# KiCad board Turbo_XT_Mainboard R3.kicad_pcb (continued)
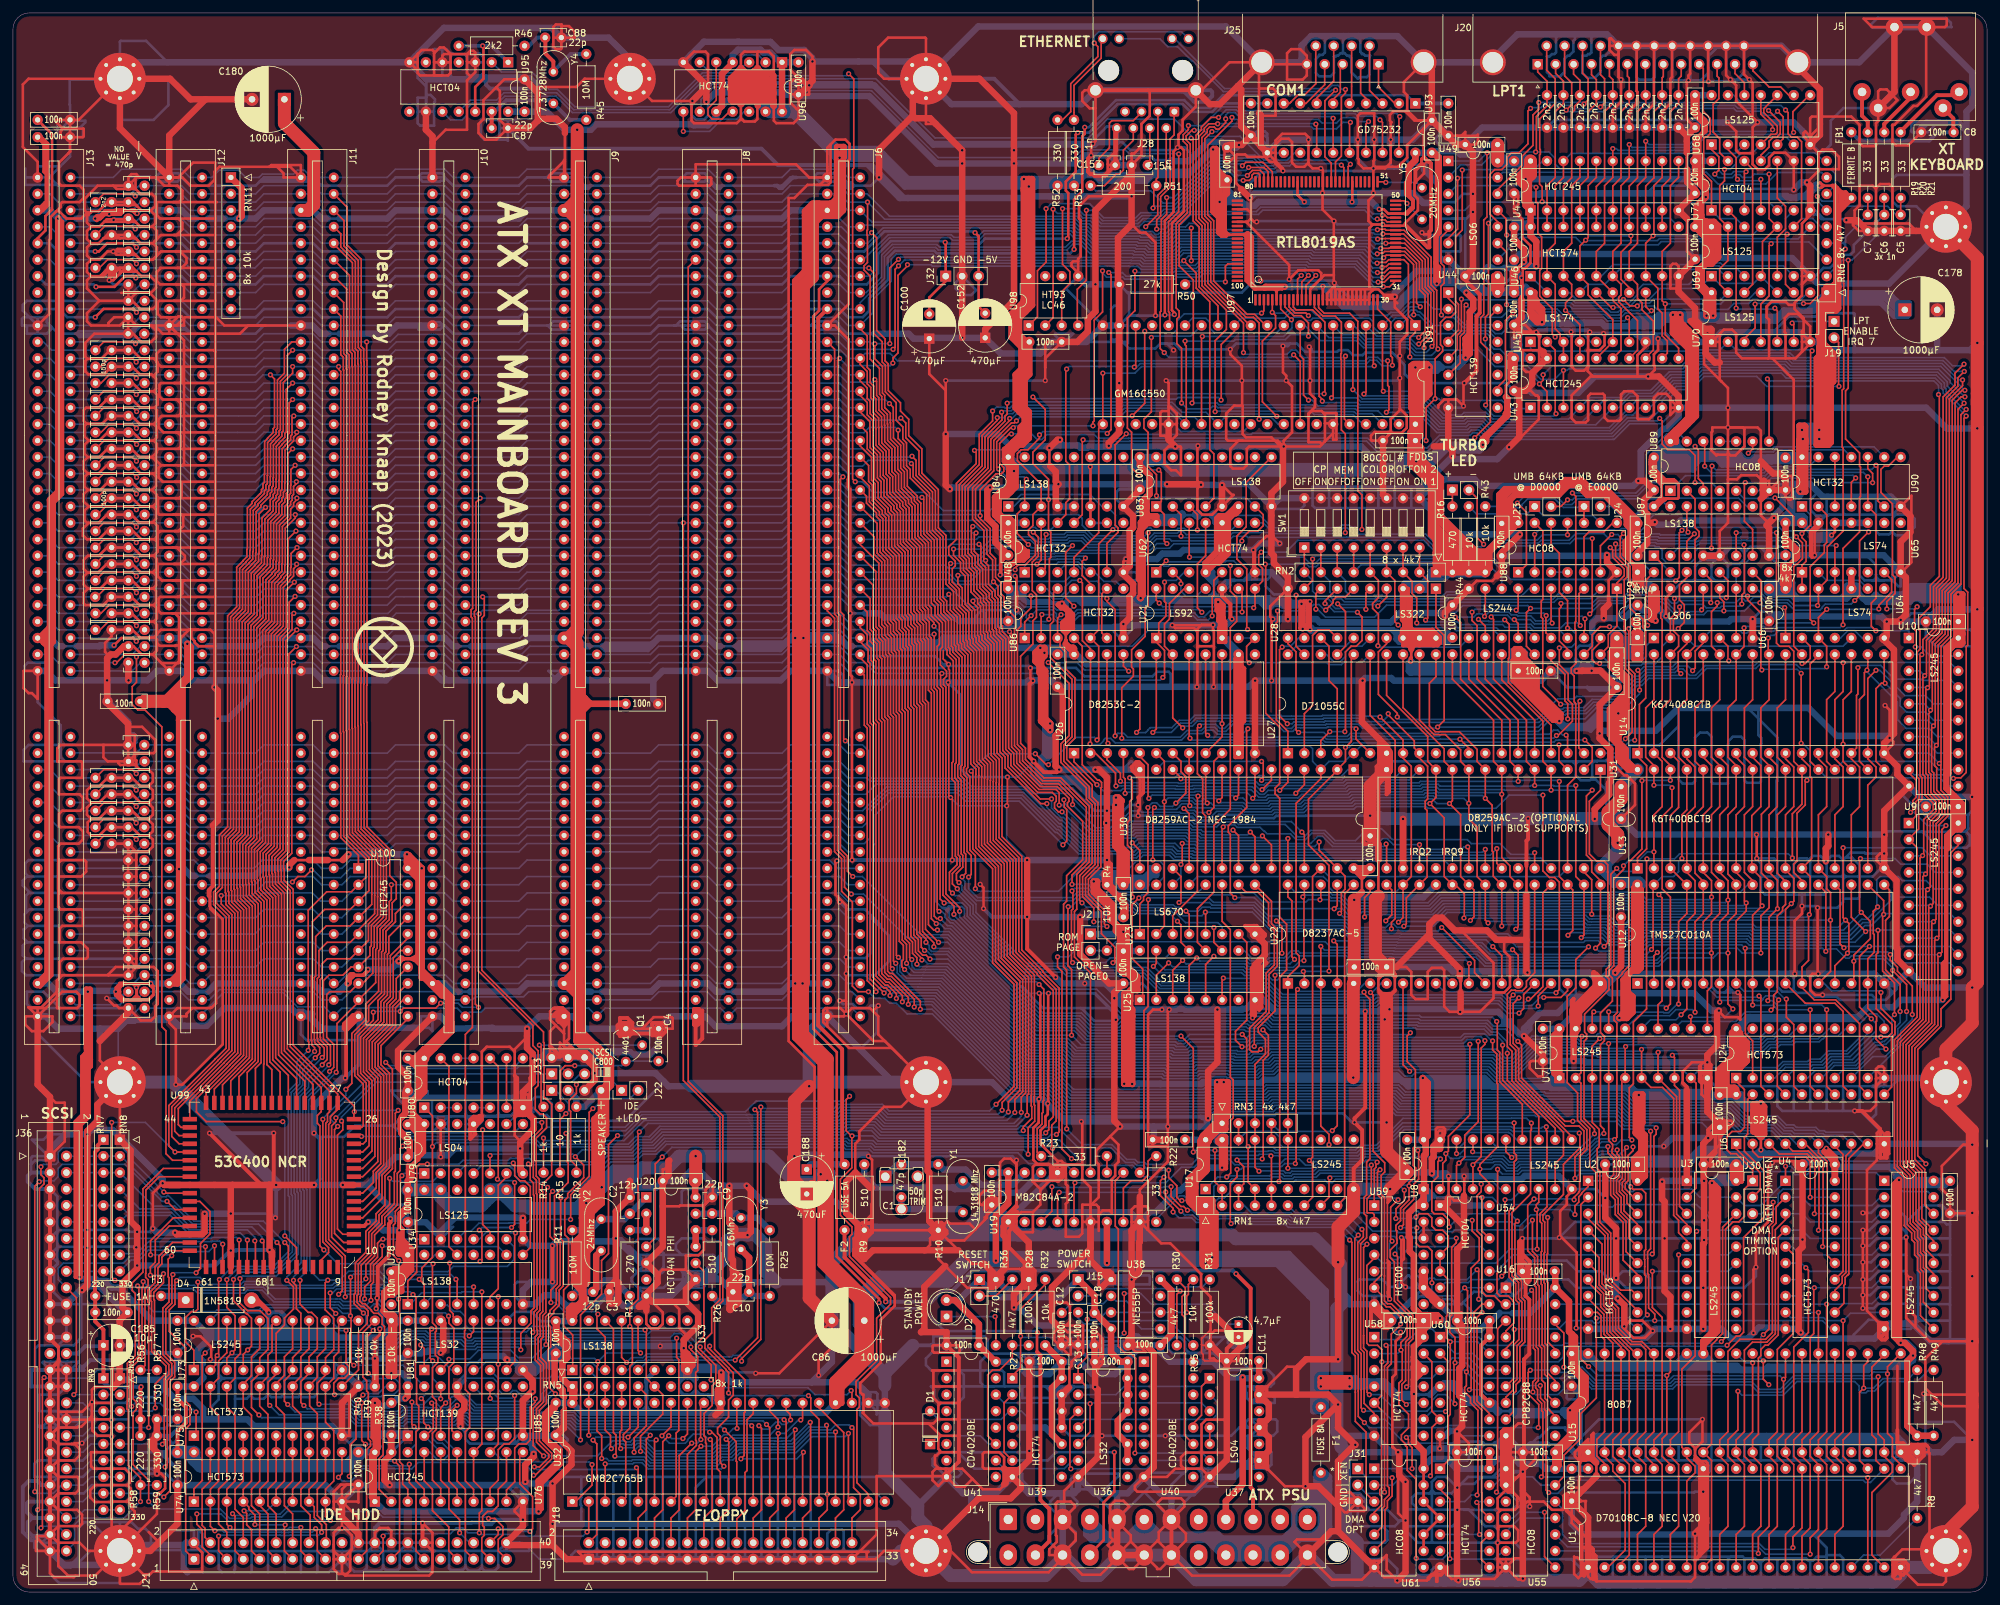
[diagram p0: board, top side]
## Routing (per net, layer and track width the routed paths; a pad name or vN(x,y) marks a point on that pad's centre or on a via; arc(x,y) is an arc through that point) (continued)
19.05,97.79 ; 14.73,95.25 14.73,95.38 15.88,96.52 19.56,96.52 ; 14.73,95.25 7.62,95.25 7.24,94.87 ; 233.12,13.25 233.84,13.97 236.35,13.97 237.62,12.7 239.31,12.7 239.42,12.8 ; 213.37,95.26 213.43,95.19 ; U70.7 277.5,192.79 276.22,191.52 ; U70.7 276.48,194.06 276.48,194.94 ; U70.7 276.22,193.04 ; 151,46.86 150.9,46.97 147.34,46.97 142.88,51.44 R10.2 ; 151,46.86 151.38,46.86 151.51,46.99 ; 151,46.86 151.76,47.62 R36.2 ; v1(161.8,41.15) 162.81,40.13 164.46,40.13 C13.2 ; v1(161.8,41.15) 160.78,40.13 160.78,38.86 162.94,36.7 163.32,36.7 163.32,39.12 162.31,38.1 C12.2 164.38,38.1 C13.2 ; v1(161.8,41.15) 162.56,41.15 163.19,41.78 163.19,44.2 162.69,44.7 160.91,44.7 160.42,44.22 ; U68.7 277.5,224.79 ; U68.7 277.5,227.58 277.75,227.84 283.84,227.84 285.12,226.57 285.12,223.77 285.62,223.27 287.53,223.27 287.65,223.39 287.65,226.82 287.99,227.16 J5.4 ; U68.7 277.5,223.77 276.48,224.79 276.48,225.3 276.73,225.55 277.5,224.79 ; 277.5,224.79 279,226.29 279,226.67 ; C129.2 15.49,217.17 ; C129.2 18.41,217.17 18.92,216.66 ; 7,27.83 8.4,27.83 ; 7,27.83 7,26.65 ; 126.24,223.52 127.01,224.29 128.52,224.29 129.17,223.64 129.17,221.24 129.04,221.12 129.04,198.89 J6.10 126.87,195.58 129.03,193.42 129.03,172.21 ; 126.24,223.52 125.73,223.01 125.73,220.09 ; 124.21,217.3 124.59,217.3 J6.1 ; 124.21,217.3 122.68,217.3 120.65,215.26 119.76,215.26 119.76,85.09 123.76,81.1 123.76,62.67 122.68,61.6 122.56,61.6 ; v1(172.72,215.52) 166.12,215.52 164.59,214 164.59,212.09 164.85,211.84 164.85,206.25 164.46,205.87 164.46,205.49 ; 143.26,19.05 144.02,19.05 ; 179.7,180.47 179.58,180.34 178.44,180.34 ; 179.7,180.47 179.7,178.69 178.94,177.93 178.44,177.93 177.8,178.56 177.16,178.56 177.16,180.34 ; 31.24,209.55 31.24,207.01 ; 31.24,209.55 24.89,209.55 ; 31.24,207.01 31.24,204.47 ; v1(217.55,209.93) 217.81,209.68 218.69,209.68 ; 18.92,216.66 16,216.66 15.49,217.17 ; v1(114.68,33.78) 118.32,33.78 C86.2 126.44,37.8 124.4,35.75 v1(124.4,33.46) ; v1(191.52,160.91) 191.52,157.73 U62.7 191.77,161.29 193.55,163.07 194.31,163.07 ; v1(30.48,35.94) 30.61,36.07 30.61,37.85 28.96,39.5 v1(27.81,39.5) ; 151.51,46.99 151.76,47.24 R36.2 ; 21.72,180.34 19.62,180.34 18.35,181.61 C145.2 C108.1 14.99,181.61 13.79,180.41 11.37,180.41 ; 21.72,180.34 22.22,180.85 22.22,182.5 21.84,182.88 ; 19.56,96.52 21.72,96.52 22.35,95.88 22.35,90.81 21.97,90.42 21.97,88.9 21.34,88.27 19.72,88.27 C176.2 16.38,90.17 16,90.55 15.62,90.55 v1(14.48,91.69) ; 21.72,185.42 22.1,185.8 22.1,187.32 21.65,187.77 ; 21.72,185.42 22.35,184.78 22.35,183.39 21.84,182.88 ; 25.15,168.91 31.11,168.91 31.24,168.78 ; 25.15,168.91 22.48,168.91 22.41,168.98 ; 25.15,168.91 25.65,168.91 26.03,169.29 26.03,171.2 25.78,171.45 25.02,171.45 ; 19.05,113.03 19.05,114.3 C155.1 ; 19.05,113.03 C167.1 ; 263.52,193.04 263.52,194.31 263.65,194.44 ; 263.52,193.04 U70.1 ; 200.02,220.73 200.02,220.47 200.66,219.84 v1(201.93,219.84) 202.25,219.52 202.25,216.09 v1(202.18,216.03) 202.2,216.05 202.2,213.47 v1(203.96,211.71) 203.94,211.68 203.94,203.35 ; 200.02,220.73 v1(200.02,224.28) 200.02,224.66 199.52,225.17 195.96,225.17 194.94,224.16 194.94,222.25 ; v1(179.8,223.06) 179.8,223.05 179.19,222.44 179.19,213.11 177.85,211.77 v1(177.85,197.21) ; v1(179.8,223.06) 179.96,223.22 179.96,225.04 180.59,225.68 180.59,227.33 182.63,229.37 182.63,231.91 183.52,231.91 187.83,236.22 J25.SH ; v1(179.8,223.06) 180.37,223.06 180.79,222.64 180.79,213.22 178.94,211.37 178.94,197.94 179.32,197.56 v1(179.32,197.27) ; 7,6.37 7,26.65 ; 19.07,127.53 19.05,127.54 19.05,128.4 ; 19.07,127.53 19.59,127 20.95,127 21.59,126.37 21.59,125.09 20.95,124.46 ; C172.2 C171.2 ; 15.24,14.1 15.04,13.9 12.64,13.9 11.94,14.61 11.94,15.75 12.7,16.51 15.24,16.51 ; 15.24,14.1 15.24,16.51 ; 21.14,200.59 21.28,200.59 22.1,201.41 22.1,202.31 21.21,203.2 19.81,203.2 19.11,203.9 ; 17.65,16.51 18.16,16 18.16,14.61 17.53,13.97 ; 17.65,16.51 15.24,16.51 ; 17.65,16.51 18.03,16.89 18.03,18.29 17.27,19.05 14.48,19.05 ; 271.65,190.5 274.94,187.21 274.94,172.58 274.7,172.34 ; 271.65,190.5 271.02,190.5 ; v1(171.83,159.51) 171.45,159.13 U48.7 ; 255.9,182.75 255.9,183.9 ; 12.06,119.38 11.54,118.85 11.54,117.37 12.06,116.84 13.33,116.84 14.6,118.11 C166.1 C156.1 18.32,118.11 19.59,116.84 20.95,116.84 ; 12.06,119.38 11.43,120.02 11.43,121.12 12.23,121.92 ; 12.06,119.38 13.25,119.38 14.52,120.65 C164.1 C157.1 18.41,120.65 19.68,119.38 20.79,119.38 ; J14.15 162.07,5.99 164.08,8 164.08,9.02 162.07,11.03 J14.3 163.96,13.1 163.96,13.33 163.32,13.97 162.31,13.97 ; 15.24,24.26 v1(15.24,24) 15.11,24.13 13.08,24.13 12.25,24.96 12.25,26.6 ; 15.24,24.26 15.24,21.59 ; 21.46,210.82 19.68,210.82 18.99,211.52 ; v1(50.8,9.91) 51.18,9.91 52.32,8.76 52.32,6.6 ; v1(50.8,9.91) 50.29,9.91 49.53,9.14 49.53,7.37 ; 148.15,17.46 146.56,19.05 144.02,19.05 ; 97.15,87 Q1.1 ; 97.15,87 C4.2 101.85,87 101.85,88.65 101.73,88.77 98.93,88.77 97.15,87 ; J20.18 246.51,238.76 ; J20.18 J20.25 ; 74.61,232.35 75.87,233.6 C37.2 ; 74.61,232.35 75.18,231.78 75.18,227.29 C87.1 74.64,224.28 72.9,224.28 71.88,225.3 71.88,226.69 72.64,227.46 72.64,230.38 74.61,232.35 ; 25.4,204.47 31.24,204.47 ; 25.4,204.47 22.73,204.47 22.73,204.34 22.22,203.84 22.22,202.44 22.73,201.93 25.27,201.93 ; v1(302.51,58.55) 302.47,58.5 C35.2 299.08,60.96 297.81,62.23 297.81,65.79 301.12,69.09 v1(302.51,69.09) ; v1(89.82,80.11) 89.82,82.14 88.52,83.44 86.99,83.44 86.3,84.14 ; 25.53,173.99 22.86,173.99 ; 136.14,45.47 136.14,45.85 129.79,52.2 129.79,52.96 ; 136.14,45.47 136.14,45.59 129.79,51.94 129.79,52.96 ; 136.14,45.47 136.14,44.2 133.99,42.04 133.99,35.43 130.81,32.26 130.81,30.86 131.19,30.48 131.32,30.48 131.32,27.81 131.19,27.69 132.84,26.04 140.33,26.04 ; 129.03,172.21 129.03,171.96 128.9,171.83 128.9,170.69 129.29,170.31 129.29,141.6 129.54,141.35 v1(129.54,140.46) 129.54,113.06 v1(129.57,113.03) ; 129.03,172.21 129.03,170.43 ; 11.68,165.1 11.43,165.1 11.05,165.48 11.05,167 11.68,167.64 ; 11.68,165.1 13.25,165.1 14.52,166.37 C114.1 C139.2 18.29,166.37 19.49,165.17 21.53,165.17 ; U95.3 71.37,237.49 ; 172.15,39.43 172.15,38.12 C16.2 ; 172.15,39.43 171.96,39.24 171.96,38.86 172.16,38.66 C16.2 ; 172.15,39.43 172.72,40 ; 243.14,191.71 243.2,191.78 243.2,194.31 v1(243.46,194.56) ; 243.14,191.71 243.19,191.77 244.98,191.77 245.75,192.53 245.75,194.18 v1(245.59,194.34) ; 66.04,72.26 v1(66.04,67.18) ; 24.89,186.69 31.24,186.69 ; 24.89,186.69 22.86,186.69 22.61,186.44 22.61,184.66 23.11,184.15 25.27,184.15 ; 21.34,195.58 22.1,194.82 22.1,193.8 21.34,193.04 19.77,193.04 19.08,193.73 19.08,193.77 18.54,194.31 C105.1 ; 21.34,195.58 22.1,195.58 ; 21.34,195.58 19.68,195.58 ; 264.79,175.64 264.79,175.9 ; 127.38,107.31 127.38,106.81 v1(127.63,106.55) ; 127.38,107.31 128.65,106.05 v1(128.65,98.04) v1(128.65,95.5) 128.65,91.19 ; 127.38,107.31 127,107.7 127,112.78 127.08,112.78 v1(127.22,112.91) ; C68.2 212.72,41.91 U59.7 ; 52.07,5.08 J21.19 ; 52.07,5.08 52.07,6.35 52.32,6.6 ; J21.19 49.53,6.35 49.53,7.37 ; J21.19 52.32,6.6 ; 158.62,62.1 158.62,62.23 157.48,63.37 ; 158.62,62.1 158.62,59.82 157.48,58.67 ; v1(78.74,11.18) 77.47,12.45 77.47,12.7 U76.10 ; 244.47,2.41 243.2,3.68 ; 152.4,62.87 152.4,66.29 153.03,66.93 154.05,66.93 154.94,66.04 154.94,65.41 ; 21.46,175.26 22.1,174.62 ; 21.46,175.26 20.45,175.26 ; 22.1,174.62 22.1,176.16 22.47,176.53 25.53,176.53 ; 22.1,174.62 22.1,172.97 21.84,172.72 21.59,172.72 ; 293.75,40.89 292.31,42.33 v1(292.31,54.77) 292.31,49.06 v1(292.99,48.39) ; U46.10 257.05,203.07 ; 17.78,195.58 19.68,195.58 ; 17.78,195.58 C105.1 ; 17.78,195.58 C150.1 ; 19.68,195.58 19.05,195.58 C150.1 ; v1(289.05,136.91) 289.75,136.21 v1(289.75,131.89) 290.32,131.32 290.32,130.94 U14.16 ; 12.23,121.92 12.06,121.92 11.43,122.56 11.43,123.82 12.06,124.46 13.33,124.46 14.6,125.73 C162.1 C159.1 18.41,125.73 19.68,124.46 20.95,124.46 ; 144.46,54.29 R10.2 ; 22.41,168.98 22.41,166.57 22.61,166.37 24.76,166.37 ; 22.41,168.98 22.22,169.16 ; v1(295.02,30.61) 295.15,30.48 302.51,30.48 ; 162.31,13.97 162.31,15.62 U36.7 ; C131.2 18.6,146.05 19.87,144.78 21.59,144.78 ; 11.56,172.72 13.21,172.72 14.48,173.99 C111.1 C142.2 18.41,173.99 19.68,172.72 21.59,172.72 ; 11.56,172.72 11.05,172.21 11.05,170.69 11.56,170.18 ; U59.13 U59.12 ; 276.22,191.52 276.22,193.04 ; 276.22,193.04 276.22,194.69 276.48,194.94 ; 19.05,105.54 19.05,107.95 ; 19.05,105.54 18.92,105.41 C170.2 ; 21.59,208.28 22.22,207.64 22.22,206.38 21.59,205.74 ; 21.59,208.28 19.68,208.28 19.18,208.79 ; C82.2 224.41,21.59 224.79,21.97 224.79,22.99 v1(222.96,24.81) ; 146.05,34.16 145.99,34.22 141.93,34.22 142.11,34.04 142.11,31.88 ; 187.4,26.62 184.23,26.62 183.51,25.91 183.51,21.62 183.59,21.54 ; 11.56,170.18 10.92,169.55 10.92,168.4 11.68,167.64 ; 15.24,16.51 15.24,19.18 ; 176.72,7.94 176.91,8.13 176.91,9.26 J14.7 ; 176.72,7.94 178.87,5.79 J14.19 ; v1(275.11,95.48) 275.08,95.5 275.08,103.63 276.22,104.78 v1(276.22,105.92) ; U89.7 272.41,170.05 ; U89.7 272.54,171.45 272.54,170.18 272.41,170.05 ; U89.7 271.14,171.58 270.13,171.58 ; 272.41,170.05 273.56,170.05 C48.2 273.69,169.16 274.19,168.66 274.45,168.66 274.7,168.91 274.7,172.34 ; 185.42,146.05 183.01,146.05 182.88,145.92 ; 185.42,146.05 185.42,139.83 v1(185.37,139.78) ; 185.42,146.05 185.42,148.46 185.29,148.59 v1(185.29,149.35) ; 287.65,80.39 287.91,80.39 U24.10 ; 287.65,80.39 287.65,80.77 288.04,81.15 288.67,81.15 288.93,80.9 U24.10 ; 153.07,160.69 152.93,160.55 152.93,159.36 ; J14.19 182.04,2.54 197.1,2.54 199.87,5.31 J14.24 ; J14.19 181.1,7.95 181.1,9.02 178.9,11.21 J14.7 ; 169.54,49.15 169.54,49.53 169.35,49.72 167.83,49.72 167.64,49.53 167.64,47.37 168.02,46.99 168.15,47.12 ; 182.88,148.46 182.88,145.92 ; 182.88,148.46 182.75,148.46 182.37,148.84 179.45,148.84 v1(179,149.29) 185.23,149.29 v1(185.29,149.35) ; 182.88,148.46 182.88,148.72 183.51,149.35 v1(185.29,149.35) ; 182.88,145.92 182.88,139.86 v1(182.8,139.78) ; 31.24,168.78 31.24,166.5 ; C79.2 216.49,227.25 ; 125.73,220.09 J6.1 ; 125.73,220.09 J6.1 ; U6.10 287.78,69.22 ; 287.78,69.22 287.78,66.68 286.26,65.15 286.26,58.42 ; R10.2 R9.1 131.44,57.15 132.65,58.35 132.65,66.74 v1(132.08,67.31) ; R10.2 141.6,54.61 141.6,53.59 140.78,52.77 ; v1(194.33,140.74) 194.33,150.05 v1(194.52,150.24) 194.12,150.64 194.12,152.21 U28.10 ; v1(285.62,43.81) v1(285.62,45.85) v1(285.62,48.26) v1(285.62,50.93) v1(285.62,53.47) v1(285.62,55.88) 286.26,55.88 ; 7.24,94.87 7.24,97.28 7.75,97.79 11.3,97.79 11.56,98.04 11.56,99.31 10.54,100.33 7.24,100.33 7.24,102.49 7.62,102.87 10.79,102.87 10.79,105.16 10.54,105.41 7.37,105.41 6.98,105.79 6.98,115.19 7.37,115.57 10.16,115.57 10.79,116.21 10.79,117.47 10.16,118.11 7.37,118.11 7.11,118.36 7.11,120.14 7.62,120.65 10.41,120.65 10.79,121.03 10.79,122.68 10.29,123.19 7.11,123.19 7.11,125.48 7.37,125.73 10.67,125.73 10.67,128.14 10.54,128.27 6.86,128.27 6.86,130.3 7.37,130.81 13.97,130.81 ; 7.24,94.87 6.79,94.42 ; 19.05,107.95 C169.2 ; 59.76,73.09 60.01,73.34 ; 14.73,195.58 14.73,195.96 15.62,196.85 C150.1 ; 14.73,195.58 16.51,195.58 C150.1 ; 77.47,73.15 77.47,70.49 78.32,69.64 78.32,69.43 ; 77.47,73.15 77.47,73.28 77.72,73.53 ; v1(178.54,89.94) 178.31,89.71 v1(178.31,71.88) 178.31,68.83 ; U70.1 263.65,194.44 ; 263.65,194.44 264.16,194.94 265.43,194.94 266.06,194.31 266.06,191.39 266.95,190.5 271.02,190.5 ; U95.5 66.29,237.24 66.55,237.49 71.37,237.49 ; U95.5 67.56,236.22 ; 40.77,220.09 41.78,219.07 41.78,218.44 J11.1 ; 40.77,220.09 42.8,220.09 J11.1 ; 144.02,19.05 144.02,17.91 ; 31.24,204.47 31.24,201.68 ; v1(56.08,43.76) 56.22,43.9 v1(56.22,45.38) ; 25.53,176.53 25.91,176.91 25.91,178.56 25.53,178.94 25.53,179.07 25.27,179.07 ; 25.53,176.53 30.99,176.53 31.24,176.28 ; 231.77,213.61 C57.2 232.08,215.98 232.41,215.65 232.41,214.25 231.77,213.61 ; 231.77,213.61 231.77,213.23 233.04,211.96 233.04,209.17 234.3,207.91 234.3,205.22 233.67,204.59 ; 31.24,189.23 31.24,186.69 ; 31.24,189.23 31.24,191.52 ; 175.2,55.94 175.26,56.01 175.26,57.4 ; 211.96,200.03 210.82,201.17 210.09,201.17 ; 146.05,31.75 142.24,31.75 142.11,31.88 ; 14.48,19.05 12.45,19.05 12.06,19.43 12.06,21.59 15.24,21.59 ; 14.48,19.05 15.11,19.05 15.24,19.18 ; 160.15,173.86 160.02,173.99 v1(160.02,176.66) ; 31.24,146.05 31.24,151.13 ; 258.44,222.25 258.44,219.71 258.51,219.64 ; 214.12,182.75 v1(214.12,187.45) v1(214.12,190.88) 214.12,193.05 215.26,194.2 215.26,196.47 213.36,198.37 v1(213.36,200.03) 213.36,199.39 213.74,199.01 ; 31.24,163.7 31.24,161.29 ; 31.24,163.7 31.24,166.5 ; 31.24,161.29 24.64,161.29 ; 31.24,161.29 31.24,158.62 ; 220.34,69.85 220.98,70.49 220.98,70.74 221.11,70.87 221.11,71.5 220.85,71.75 219.96,71.75 219.71,71.5 219.71,69.22 ; 220.34,69.85 219.96,70.23 219.96,70.99 220.22,71.25 220.73,71.25 220.73,70.49 220.34,70.1 220.34,69.85 ; 15.49,217.17 13.08,217.17 11.05,215.14 11.05,213.36 11.68,212.73 ; C9.1 106.93,59.94 ; C9.1 108.08,61.09 108.08,62.87 107.7,62.87 106.93,62.1 106.93,59.94 ; 232.92,200.03 233.04,200.15 233.04,201.55 ; U29.10 225.99,156.14 228.4,156.14 229.11,156.84 ; 21.59,205.74 19.68,205.74 18.99,206.44 ; 25.27,201.93 30.99,201.93 31.24,201.68 ; U55.7 232.41,1.91 232.95,1.91 v1(233.12,2.08) ; U55.7 229.24,3.81 ; C167.1 C155.1 ; C167.1 17.78,113.66 18.41,114.3 20.79,114.3 21.59,115.1 21.59,116.21 20.95,116.84 ; C155.1 C165.1 ; 20.45,175.26 21.59,175.26 22.86,173.99 ; 239.42,14.07 239.42,12.8 ; J25.SH 192.39,235.8 192.39,232.17 ; 24.64,161.29 22.35,161.29 ; U54.7 U59.9 ; 15.24,21.59 15.24,19.18 ; 8.25,25.4 6.98,25.4 J36.35 ; C13.2 163.75,38.18 162.56,39.37 161.8,39.37 ; v1(159.89,92.46) 159.84,92.41 159.84,75.77 ; 85.41,85.03 85.09,84.71 ; 85.41,85.03 86.3,84.14 ; 85.09,84.71 85.09,86.23 ; 85.09,84.71 85.09,83.95 ; 157.48,63.37 157.61,63.5 160.53,63.5 ; 206.88,201.17 206.79,201.08 U97.24 ; U19.15 161.42,64.64 162.56,64.64 ; U19.15 161.29,66.57 ; v1(255.21,150.69) 255.21,153.49 255.9,154.18 255.9,154.94 ; 220.09,182.88 220.09,183.26 220.98,184.15 221.74,184.15 ; 21.72,152.4 22.1,152.78 22.1,154.56 21.72,154.94 21.46,154.94 ; 202.37,182.05 202.06,182.37 200.53,182.37 200.02,181.86 200.02,181.61 ; v1(128.65,89.28) 128.65,91.19 ; 128.65,91.19 128.52,91.31 v1(127.63,91.31) ; 169.42,70.36 v1(170.94,71.88) ; 169.42,70.36 170.69,69.09 170.69,66.42 170.18,65.91 170.18,64.26 169.67,63.76 169.67,58.55 169.29,58.93 168.27,58.93 167.64,58.29 167.64,58.04 ; 24.64,156.21 31.24,156.21 ; 161.29,66.57 161.91,66.57 162.56,65.91 162.56,64.64 ; 11.5,157.41 10.92,157.99 10.92,159.38 11.56,160.02 13.25,160.02 14.52,161.29 C116.1 C137.2 18.54,161.29 19.81,160.02 21.72,160.02 ; v1(152.43,157.07) 152.43,158.86 152.93,159.36 ; C169.2 C170.2 ; J12.80 24.13,87.88 25.15,86.87 v1(25.15,78.36) 26.16,78.36 32.38,84.58 32.38,103.89 30.37,105.9 30.37,107.39 30.23,107.53 ; 159.38,189.1 159.38,190.5 C97.2 159.64,193.04 159.38,192.79 159.38,189.1 ; 159.38,189.1 v1(159.38,187.07) ; 212.64,61.39 v1(212.64,62.23) ; 82.93,88.65 82.93,89.66 83.44,90.17 84.84,90.17 85.09,89.92 ; 82.93,88.65 83.18,88.9 J9.80 ; 24.64,151.13 31.24,151.13 ; 21.84,182.88 19.68,182.88 18.41,184.15 C146.2 C107.1 14.35,184.15 14.35,183.98 13.25,182.88 11.3,182.88 10.92,182.5 10.92,180.86 11.37,180.41 ; v1(224.09,186.69) 223.96,186.56 v1(223.96,183.13) 222.95,184.15 221.74,184.15 ; 286.26,55.88 286.26,58.42 ; 286.26,55.88 286.26,43.43 288.93,40.77 U5.10 ; 286.26,58.42 286.13,58.55 v1(285.62,58.55) ; 12.39,26.6 12.25,26.6 ; 31.24,153.8 31.24,156.21 ; 31.24,153.8 31.24,151.13 ; 25.02,171.45 23.11,171.45 22.48,172.09 22.48,173.61 22.86,173.99 ; 11.37,180.41 11.05,180.09 11.05,178.44 11.68,177.8 ; 20.79,119.38 21.59,118.58 21.59,117.47 20.95,116.84 ; 144.02,17.91 133.35,17.91 133.35,8.89 J18.33 ; U1.1 243.08,3.81 241.55,5.33 241.17,5.33 241.05,5.46 241.05,2.79 241.68,2.16 243.2,3.68 ; U1.1 243.2,3.68 ; 85.09,89.92 J9.80 ; C170.2 C171.2 ; 11.68,212.73 11.43,212.47 11.43,211.45 12.06,210.82 ; 11.68,212.73 12,213.04 ; 192.39,232.17 192.39,228.36 192.65,228.1 ; 192.39,232.17 194.55,232.17 194.94,231.78 194.94,227.97 192.91,227.97 192.65,227.7 ; 22.35,161.29 22.35,160.66 21.72,160.02 ; U97.23 U97.22 ; U97.23 U97.24 ; U97.22 U97.21 ; 200.02,181.61 200.02,181.99 201.04,183.01 201.04,184.28 200.28,185.04 v1(200.28,187.07) 200.28,192.15 v1(200.15,192.28) ; 152.93,159.36 C92.2 ; 214.38,51.05 v1(214.38,54.74) 214.76,54.36 214.76,51.44 214.38,51.05 ; 214.38,51.05 214.38,47.75 v1(215.01,47.12) ; C16.2 172.34,38.1 173.35,37.08 174.88,37.08 174.12,37.85 174.12,38.1 ; 145.67,36.58 146.18,37.08 146.18,37.85 145.92,38.1 C78.2 142.11,38.1 141.99,37.97 141.99,37.21 142.24,36.96 145.29,36.96 ; C69.2 250.44,121.54 250.44,124.84 249.17,126.11 248.79,126.11 246.89,128.02 246.63,128.02 ; 223.58,102.17 228.6,97.16 228.6,92.84 ; C18.2 168.15,38.1 168.27,37.97 ; 107.06,230.89 107.31,231.14 107.31,237.49 106.93,237.87 105.16,237.87 U96.7 ; 213.61,96.52 215.14,96.52 215.9,95.76 215.9,92.2 216.53,91.57 218.44,91.57 218.44,95.76 219.07,96.39 220.6,96.39 220.98,96.01 220.98,90.42 221.81,89.59 v1(223.45,89.59) 226.5,89.59 228.6,91.69 228.6,92.84 ; 183.59,21.54 181.06,21.54 180.34,20.83 180.34,19.56 180.85,19.05 ; 183.59,21.54 183.51,21.46 183.51,19.05 ; 183.59,21.54 187.4,21.54 ; 83.44,240.03 83.44,241.68 83.82,242.06 84.71,242.06 84.71,241.81 ; 228.6,92.84 228.85,92.58 230.25,92.58 231.14,93.47 231.14,98.04 230.25,98.93 230.25,100.33 230.63,100.71 ; 162.56,64.64 162.56,63.25 ; J14.7 178.87,11.38 176.78,13.46 176.78,13.84 177.42,14.48 180.34,14.48 180.85,13.97 180.85,13.19 J14.7 ; 233.67,204.59 233.67,204.59 ; 233.67,204.59 233.49,204.4 233.19,204.4 233.11,204.32 233.11,203.15 v1(232.91,202.95) ; 21.59,144.78 22.92,143.45 ; 203.94,203.35 202.46,203.35 201.99,202.88 ; 16.51,209.04 18.92,209.04 19.18,208.79 ; v1(214.25,40.13) 214.25,39.5 213.49,38.74 213.49,33.66 212.98,33.15 212.98,22.35 213.11,22.35 v1(213.87,21.59) 213.87,12.19 v1(215.01,11.05) ; U88.7 246.38,156.21 246.38,153.67 ; 295.78,21.59 295.78,22.35 295.27,22.86 294.13,22.86 ; 295.78,21.59 295.91,21.46 295.91,8.89 H10.1 298.45,1.65 297.94,1.14 294.13,1.14 U1.20 ; 18.99,206.44 18.92,206.5 16.64,206.5 ; 178.44,180.34 177.16,180.34 ; 112.65,227.33 112.27,227.33 111.76,226.82 105.16,226.82 104.77,227.2 104.77,230.12 v1(104.9,230.25) 98.68,230.25 H3.1 88.26,233.68 86.99,232.41 80.18,232.41 79.78,232.81 ; U65.7 291.59,157.48 293.12,159 293.12,169.29 U90.7 ; v1(269.24,113.28) 269.24,116.93 v1(269.2,116.97) ; 223.52,94.36 223.52,92.96 ; 152.97,55.06 152.97,57.84 ; 152.97,57.84 153.16,58.04 ; 201.99,202.88 200.29,201.18 U97.14 ; 241.94,19.81 241.94,20.07 ; 241.94,19.81 241.94,17.41 241.77,17.24 241.77,15.15 ; 259.71,21.08 259.71,20.7 260.22,20.19 261.37,20.19 261.62,19.94 261.62,19.56 ; 31.24,166.5 31.11,166.37 24.76,166.37 ; 183.51,19.05 U37.7 182.5,15.49 173.61,15.49 173.23,15.88 173.23,16.38 U40.8 178.18,17.78 179.45,19.05 180.85,19.05 ; 183.51,19.05 180.85,19.05 ; J9.80 85.09,86.23 ; 292.74,22.61 292.86,22.61 293.12,22.86 294.13,22.86 ; 221.74,184.15 221.62,184.02 U44.8 ; 168.27,37.97 168.27,35.31 ; J20.22 258.95,238.75 258.95,234.44 258.7,234.19 v1(258.7,233.43) 258.44,233.17 258.44,227.41 C51.2 ; 274.7,172.34 273.81,172.34 273.69,172.21 ; 276.99,212.09 276.22,211.33 276.22,204.72 276.1,204.6 276.29,204.41 ; 276.99,212.09 276.99,212.85 U71.7 277.5,212.6 276.99,212.09 ; 64.77,7.62 64.77,9.14 v1(63.25,10.67) ; 31.24,158.62 31.24,156.21 ; J5.4 287.99,231.73 288.29,232.03 289.31,232.03 290.96,230.38 289.74,229.16 J5.4 ; 16.83,203.9 19.11,203.9 ; 244.47,18.03 244.47,19.94 244.44,19.97 ; 7,26.65 7,25.42 J36.35 ; U13.16 287.78,112.9 287.78,113.54 288.29,114.05 v1(288.93,114.05) ; 164.46,205.49 U98.5 164.46,203.71 163.45,204.72 163.45,205.23 163.7,205.49 164.46,205.49 ; 154.94,65.41 v1(154.94,66.68) ; C95.2 100.33,65.28 100.58,65.28 101.22,65.91 ; 160.53,63.5 161.29,63.5 ; v1(199.56,16.34) 196.39,16.34 U37.9 ; 17.53,13.97 17.78,13.97 18.29,13.46 18.29,12.95 18.8,12.45 18.8,11.64 H6.1 ; v1(157.48,140.72) 157.1,141.1 v1(157.1,142.7) ; 240.66,62.23 240.66,61.85 239.9,61.09 239.9,59.84 238.89,58.83 238.89,54.99 241.43,52.45 241.43,40.84 v1(241.35,40.77) ; 104.52,235.2 104.52,235.46 ; C161.1 13.97,130.81 ; 168.27,35.31 167.08,34.12 ; 234.76,188.4 233.62,188.4 233.04,188.98 233.04,191.64 ; v1(279.4,92.2) 278.26,92.2 277.5,92.96 277.5,95.12 277.85,95.48 v1(278.74,95.48) 278.64,95.58 v1(278.64,105.66) ; C185.2 16.47,36.28 15.37,35.18 15.37,31.5 ; C58.2 258.48,207.06 258.48,212.06 ; RN8.1 H2.1 16.51,78.99 13.41,82.09 13.41,85.09 ; 22.22,20.57 22.1,20.7 22.1,24 R59.1 ; 20.95,9.27 22.54,7.68 ; 170.81,180.34 v1(170.81,186.69) ; v1(149.86,105.54) 149.86,108.76 v1(149.34,109.29) ; 233.3,26.04 232.41,26.04 U16.10 ; J20.20 253.37,238.7 253.37,229.74 252.09,228.47 C26.2 ; 210.82,107.44 210.82,113.16 ; v1(55.88,36.07) 55.88,38.99 56.64,39.75 v1(56.64,40.64) ; C83.2 233.04,49.15 ; v1(23.11,63.12) 21.59,61.6 v1(21.59,56.13) ; C27.2 254.63,228.6 255.9,229.87 255.9,233.68 256.16,233.93 256.16,238.72 256.19,238.76 ; 22.22,21.59 22.22,18.73 ; 180.23,176.89 180.34,176.78 180.34,172.45 179.57,173.23 178.82,173.23 177.8,174.24 177.8,176.28 178.42,176.89 v1(179.47,176.89) 180.23,176.89 ; 2.92,138.81 2.41,138.81 1.65,139.57 1.65,142.24 J13.31 3.81,137.92 2.92,138.81 ; 250.19,39.24 251.97,39.24 253.05,40.32 v1(253.17,40.32) 251.59,41.91 249.68,41.91 v1(248.79,41.02) 248.79,40.64 250.19,39.24 ; C84.2 236.22,79.63 235.46,79.63 234.19,80.9 234.19,81.79 234.39,82 C84.2 ; U20.7 97.79,45.21 97.03,44.45 97.03,44.32 97.79,43.56 97.79,41.4 98.48,40.71 99.64,40.71 100.33,41.4 100.33,43.18 U20.7
  Top w0.6: v1(232.91,202.95) 232.98,202.88 232.98,201.61 233.04,201.55 ; 242.51,20.38 242.51,21.53 242.32,21.72 242.76,22.16 242.76,22.54 ; 192.44,89.95 191.77,90.61 U25.8 ; 192.44,89.95 192.44,97.51 191.26,96.33 191.26,89.15 191.39,89.03 v1(191.39,88.65) 191.77,89.03 U25.8 ; 192.44,89.95 192.44,91.6 192.79,91.95 ; 192.44,89.95 192.79,90.3 192.79,91.95 ; 192.79,31.62 193.55,31.62 193.55,30.61 192.91,29.97 ; 192.79,31.62 192.15,31.62 192.15,29.46 193.42,29.46 ; 192.79,31.62 192.79,30.86 U37.13 ; U22.20 244.09,95 244.09,95.76 ; U22.20 243.97,95.12 243.97,95.63 244.09,95.76 ; U22.20 244.17,94.92 244.17,95.2 ; U22.20 245.11,94.87 244.47,95.5 244.17,95.2 ; 275.46,66.42 275.08,66.04 275.08,66.29 275.34,66.29 275.34,65.66 276.1,64.9 ; 275.46,66.42 276.1,65.79 276.1,64.9 ; 275.46,66.42 275.92,66.42 C72.2 276.31,66.09 275.97,66.42 ; 155.83,51.18 156.21,50.8 156.21,46.99 ; 155.83,51.18 157.48,49.53 157.35,49.4 157.35,47.24 157.61,46.99 156.21,46.99 ; 155.83,51.18 153.8,53.21 153.8,55.75 154.43,56.39 154.43,58.8 ; 142.62,54.61 143.38,54.61 144.14,55.37 144.14,55.75 142.88,57.02 ; 142.62,54.61 142.88,54.36 142.88,53.72 ; 142.62,54.61 142.24,54.61 142.11,54.48 142.11,56.64 ; 142.62,54.61 142.62,54.74 141.48,55.88 142.62,57.02 142.88,57.02 ; 258.44,77.47 258.44,77.98 257.81,78.61 ; v1(58.29,57.66) 58.29,57.09 58.04,56.84 58.04,51.94 56.32,50.22 56.32,45.48 v1(56.22,45.38) ; 261.24,10.29 261.24,7.24 260.86,6.86 ; 261.24,10.29 261.62,10.67 261.62,11.43 ; 261.24,10.29 260.99,10.29 ; 105.16,87.63 105.41,87.38 ; 105.16,87.63 105.28,87.63 ; 105.16,87.63 105.16,89.79 106.43,89.79 106.43,88.27 ; 105.41,87.38 J8.80 105.41,89.79 105.16,90.04 105.92,90.04 105.92,88.27 105.28,87.63 ; 105.41,87.38 105.41,84.46 106.43,85.47 106.43,88.27 ; 261.62,18.42 261.62,19.56 260.6,19.56 260.48,19.43 260.48,18.29 ; 261.62,18.42 U1.33 260.86,19.05 260.48,18.67 260.48,18.29 ; 261.62,18.42 261.62,11.43 ; J36.15 J36.17 J36.19 J36.21 J36.23 5.71,39.12 7,37.83 ; J36.15 J36.13 J36.11 J36.9 J36.7 J36.5 J36.3 J36.1 ; J36.15 5.71,49.28 ; v1(83.3,47.89) 83.29,47.9 v1(83.29,53.47) ; U59.9 218.54,46.26 218.54,45.75 219.2,45.08 ; U59.9 218.19,47.37 218.19,49.02 217.81,49.4 U59.10 U59.9 ; U59.9 218.31,46.99 220.34,44.96 U54.7 ; 162.43,66.04 162.43,64.52 161.99,64.07 ; 276.1,64.9 276.31,64.69 276.31,64.56 ; 288.1,41.34 288.1,41.59 288.16,41.53 289.31,41.53 ; 288.1,41.34 288.1,39.43 288.29,39.24 ; 288.1,41.34 288.8,40.64 U5.10 ; 223.39,95.06 223.52,94.93 223.52,94.36 ; 93.73,87.88 93.73,88.65 94.87,88.65 95.63,87.88 ; 93.73,87.88 93.73,86.49 93.47,86.23 98.42,86.23 98.68,85.98 99.31,85.98 ; 93.73,87.88 93.34,87.5 93.34,86.74 93.73,86.36 93.73,85.85 95.12,85.85 95.63,86.36 95.63,87.88 ; 93.73,87.88 95.63,87.88 ; 244.17,95.2 244.17,91.9 241.3,89.03 U7.19 ; 171.96,104.14 171.88,104.22 C54.2 171.66,104.22 171.96,104.52 171.96,106.05 170.15,107.85 170.15,107.98 169.54,108.59 169.54,112.4 v1(168.91,113.03) 168.91,111.63 168.4,111.12 168.4,109.73 R4.1 169.54,109.22 170.05,108.71 170.05,108.08 170.43,107.7 171.07,107.7 ; 260.86,6.86 260.86,9.4 260.48,9.78 ; 260.86,6.86 260.41,6.41 ; 193.29,21.21 193.29,19.43 193.42,19.3 ; 193.29,21.21 192.15,21.21 ; 193.29,21.21 193.04,21.46 192.02,21.46 192.02,19.3 193.42,19.3 ; v1(156.59,104.27) 156.59,99.31 v1(160.99,94.91) ; U7.10 261.62,78.74 261.61,78.73 v1(261.61,81.79) 261.74,81.79 262.13,81.41 262.13,77.85 261.62,77.34 ; 244.09,95.76 244.09,94.58 245.11,93.57 ; v1(233.04,54.61) 233.04,52.2 234.19,51.05 234.19,48.13 233.95,47.89 233.54,47.89 ; v1(233.04,54.61) 232.54,54.1 232.54,49.26 233.54,48.25 233.54,47.89 ; v1(233.04,54.61) 233.04,51.18 ; 231.01,18.16 230.5,17.65 U55.2 231.39,17.4 231.39,18.54 ; J28.SH 182.63,231.91 ; 218.62,220.92 218.5,220.92 217.87,221.55 217.86,221.55 217.55,221.23 217.55,220.6 ; 218.62,220.92 v1(217.87,220.92) 217.55,220.6 ; 218.62,220.92 218.95,220.6 218.95,210.31 218.69,210.06 218.69,207.64 218.44,207.64 214.95,211.14 ; v1(51.31,79.38) 51.43,79.5 51.43,87 U100.10 ; 156.21,46.99 155.89,47.31 ; 211.77,43.24 211.77,41.08 211.58,40.89 ; 211.77,43.24 211.84,43.31 212.12,43.31 212.81,42.62 C68.2 ; 211.77,43.24 212.81,42.21 C68.2 ; 211.77,43.24 210.57,44.45 U59.7 210.19,43.43 ; 295.53,22.61 292.74,22.61 292.42,22.29 ; 290.96,25.02 290.96,23.11 294,20.07 295.02,21.08 295.02,22.1 294.89,22.1 294.7,22.29 292.42,22.29 ; 59.76,71.05 59.76,71.46 59.66,71.56 59.66,72.99 60.01,73.34 ; 78.35,65.65 78.74,65.26 U79.7 ; 89.03,81.79 89.47,82.23 89.47,82.49 88.52,83.44 86.36,83.44 85.85,83.95 ; 193.42,19.3 193.68,19.05 193.68,21.59 193.91,21.82 ; 244.47,2.03 243.97,2.03 243.97,6.6 243.71,6.86 242.19,6.86 ; 261.62,77.85 261.62,78.23 260.6,79.25 260.6,80.39 261.61,80.39 261.61,80.4 ; v1(154.94,151.64) 154.94,151.64 154.94,154.43 ; 290.7,3.43 290.7,4.57 291.08,4.95 291.85,4.95 ; 290.7,3.43 291.46,2.67 291.85,2.67 292.61,3.43 292.61,4.19 291.85,4.95 ; 290.7,3.43 290.7,3.05 U1.20 ; 77.85,73.91 77.79,73.85 ; 77.85,73.91 77.85,79.38 77.47,79.76 ; 77.85,73.91 79.5,73.91 ; 85.09,89.92 84.96,89.92 84.07,89.03 84.07,88.27 84.33,88.01 ; 70.61,71.12 70.61,71.5 71.12,72.01 71.12,72.26 ; 70.61,71.12 70.61,69.98 71.37,70.74 71.25,70.87 71.25,72.9 71.5,73.15 72.01,73.15 72.01,72.52 ; 70.61,71.12 72.01,72.52 ; 70.61,71.12 70.61,72.9 71.12,73.41 71.88,73.41 72.01,73.53 72.39,73.53 72.39,72.9 72.01,72.52 ; 142.88,57.02 143.38,57.02 143.7,56.71 143.7,55.05 143.07,55.05 142.88,55.25 R10.2 ; 173.48,128.14 172.72,127.38 172.85,127.25 172.85,126.87 173.99,125.73 174.37,126.11 173.48,127 173.48,128.14 ; 173.48,128.14 173.99,127.63 U30.14 ; 173.48,128.14 173.86,128.14 174.5,127.51 174.5,123.44 173.74,122.68 ; 241.94,20.07 241.94,22.23 ; 241.94,22.23 242.44,22.23 242.76,22.54 ; 241.94,22.23 242.25,22.54 ; 84.45,88.01 85.09,87.38 85.6,87.88 85.6,88.01 84.45,88.01 ; 84.45,88.01 84.33,88.01 ; v1(261.75,70.1) 261.75,71.37 262.89,72.52 262.89,72.9 ; C32.2 261.87,66.04 262.13,65.79 262.13,67.06 262.89,67.82 262.89,72.9 ; 162.05,65.91 162.05,64.13 161.99,64.07 ; 162.05,65.91 160.91,65.91 160.53,65.53 160.53,64.26 161.29,63.5 161.42,63.5 161.99,64.07 ; 162.05,65.91 162.56,65.91 ; 82.93,84.33 84.45,82.8 84.71,82.8 85.85,83.95 ; 233.54,47.89 233.54,48.65 233.04,49.15 ; 233.54,47.89 233.54,47.49 ; 85.85,83.95 85.34,83.95 84.9,83.5 ; 85.85,83.95 87.25,82.55 J33.6 85.85,82.55 84.9,83.5 ; 260.48,18.29 260.48,9.78 ; 242.13,20.38 242.76,20.38 243.4,21.02 ; 288.29,69.72 288.29,71.5 285.5,74.3 v1(284.35,74.3) ; 288.29,69.72 288.29,68.58 ; 288.29,69.72 289.31,70.74 289.31,67.06 288.29,67.06 288.29,68.58 ; 193.04,101.09 193.29,101.35 193.29,101.6 192.02,102.87 191.64,102.87 ; 193.04,101.09 193.04,101.47 191.64,102.87 ; 193.04,101.09 192.66,100.71 ; U41.8 144.14,18.21 146.05,20.12 146.05,36.19 C78.2 ; 211.58,40.89 211.45,41.02 209.68,41.02 209.68,44.58 212.34,41.91 C68.2 ; 211.58,40.89 211.71,40.77 212.22,40.77 212.81,41.36 C68.2 ; 221.42,3.37 221.42,3.75 221.36,3.81 U56.7 219.84,3.3 219.84,1.65 ; 221.42,3.37 221.17,3.37 220.47,2.67 219.07,2.67 218.57,2.16 218.57,2.03 ; 221.42,3.37 221.42,2.73 ; 217.55,220.6 216.53,219.58 216.53,217.68 ; 243.71,22.48 243.2,21.97 U15.1 243.2,22.35 243.71,22.86 ; U25.8 192.28,91.44 192.79,91.95 ; 193.23,24.57 193.04,24.38 192.4,24.38 U37.11 192.4,26.54 193.42,26.54 193.48,26.48 ; 193.23,24.57 193.23,25.59 193.42,25.78 193.42,24.76 193.23,24.57 ; 262.89,72.9 264.03,72.9 264.79,72.14 264.79,72.01 ; 233.04,51.18 233.81,50.42 233.81,47.75 233.54,47.49 ; 233.04,51.18 C83.2 ; C68.2 211.71,41.91 210.19,43.43 ; 83.57,88.9 83.57,89.15 83.95,89.53 84.33,89.15 84.33,88.01 ; 230.76,25.15 230.5,24.89 U16.10 ; 230.76,25.15 231.14,25.15 ; 230.76,25.15 230.25,25.15 229.87,24.76 229.87,16.51 230.89,15.49 231.52,15.49 231.52,20.57 231.39,20.7 231.39,18.54 ; 186.06,69.34 185.89,69.51 185.89,69.76 ; 186.06,69.34 186.69,68.71 ; 186.06,69.34 186.06,69.6 185.89,69.76 ; 186.06,69.34 186.56,69.85 U17.19 187.2,70.36 187.32,70.36 ; 231.14,25.15 231.14,18.8 231.39,18.54 ; 231.14,25.15 230.38,25.15 ; 231.14,25.15 231.52,25.15 231.52,22.61 230.5,21.59 ; 105.28,87.63 105.79,87.63 106.43,88.27 ; J28.8 170.18,225.8 C153.1 ; 261.62,11.43 261.62,6.86 260.41,5.65 ; 233.68,112.08 233.68,116.01 233.93,116.27 v1(233.93,119.44) ; 242.01,14.05 241.39,14.68 241.39,14.77 241.05,15.11 239.9,15.11 239.9,12.57 242.19,10.29 242.19,6.86 ; 291.85,4.95 291.85,3.94 290.51,2.6 290.51,5.4 ; 232.89,194.54 v1(235.19,194.54) 235.71,194.02 235.71,193.82 ; 289.31,41.53 288.93,41.15 U5.10 ; 289.31,41.53 289.31,39.24 289.05,38.99 288.54,38.99 288.29,39.24 ; v1(80.24,82.4) 80.24,79.73 79.88,79.38 79.88,74.68 79.5,74.3 79.5,73.91 ; 233.54,45.73 234.12,45.15 234.12,36.77 233.3,35.94 233.3,21.76 C64.2 ; 233.54,45.73 233.57,45.7 ; 233.54,45.73 233.54,47.49 ; C17.2 187.4,37.55 C11.2 ; 260.41,6.41 260.41,9.21 260.16,9.46 260.48,9.78 ; 260.41,6.41 260.41,5.65 ; 7.07,36.02 7.07,35.64 J36.27 J36.29 J36.31 J36.33 J36.35 J36.37 J36.39 J36.41 J36.43 J36.45 J36.47 J36.49 ; 151,47.24 151.76,48.01 R36.2 152.4,48.26 152.78,48.64 152.78,48.26 151.76,47.24 ; U5.10 288.93,39.88 288.29,39.24 ; 187.32,70.36 187.07,70.36 186.97,70.46 186.58,70.46 185.89,69.76 ; 187.32,70.36 187.32,66.55 ; 293.24,21.59 291.85,22.99 290.96,22.99 ; 212.09,42.55 212.09,41.53 210.19,43.43 ; 242.76,22.54 243.2,22.99 ; v1(208.79,89.66) 208.79,74.8 207.14,73.15 v1(207.14,72.52) 208.31,71.34 208.31,66.71 207.01,65.41 U17.10 ; 211.2,131.44 211.2,126.62 211.45,126.37 ; 99.31,85.98 98.68,86.61 98.68,87.76 98.81,87.88 100.33,87.88 100.84,87.38 100.84,86.61 99.82,85.6 ; 99.31,85.98 99.69,85.6 99.82,85.6 ; 132.65,56.97 132.65,55.56 131.44,54.36 ; 132.65,56.97 132.65,59.89 ; 132.65,56.97 131.12,56.97 131.44,56.64 R9.1 ; 132.65,56.97 132.65,55.68 131.44,54.48 ; 235.97,191.9 236.35,191.52 ; 232.92,199.58 232.92,200.03 ; 240.97,82.5 240.97,91.61 240.66,91.31 240.66,85.99 240.97,85.69 ; 187.32,66.55 187.32,66.17 v1(186.69,65.53) 186.82,65.41 187.32,65.41 187.32,66.55 ; 191.64,102.87 190.94,102.17 ; 191.64,102.87 190.25,102.87 190.94,102.17 ; 190.94,102.17 193.02,100.1 193.27,100.1 193.27,97.43 193.55,97.16 192.79,96.39 192.79,91.95 ; C94.2 151.59,59.77 152.15,60.32 151.76,60.71 ; 242.19,6.86 242.19,2.67 242.44,2.67 242.57,2.54 243.2,3.18 U1.1 ; C85.2 224.24,202.61 226.47,200.38 226.47,197.51 225.97,197.01 225.97,188.57 v1(224.09,186.69) ; C153.1 168.53,218.69 167,218.69 166.75,218.95 166.37,218.95 165.99,219.33 165.99,221.36 v1(166.47,221.85) ; C153.1 170.18,220.73 170.44,220.99 ; 210.82,130.81 U27.7 212.09,123.19 212.47,123.57 212.47,128.91 210.82,127.25 210.82,115.49 208.74,115.49 208.53,115.7 208.53,117.73 209.5,116.76 C74.2 ; 288.29,68.58 288.93,67.94 ; 292.42,22.29 292.29,22.42 292.29,20.38 ; 260.41,5.65 259.71,4.95 ; 77.47,75.56 79.25,75.56 79.5,75.82 ; 59.76,72.7 59.76,73.09 ; 151.76,60.71 150.11,59.06 150.11,59.94 149.99,60.07 150.88,60.96 151.51,60.96 151.76,60.71 ; 241.66,13.06 241.53,13.18 239.8,13.18 ; 263.52,70.61 262.51,71.63 262.89,72.01 264.79,72.01 ; 263.52,70.61 263.52,69.98 ; 263.52,70.61 264.79,71.88 264.79,72.01 ; 122.56,61.6 122.56,61.34 121.67,60.45 121.67,62.48 121.67,61.34 120.65,60.32 120.65,59.94 122.94,57.66 ; C4.2 98.93,87 99.82,86.11 99.82,85.6 ; 84.9,83.5 84.45,83.95 ; 84.33,90.17 84.84,90.17 85.72,89.28 85.34,88.9 ; 84.33,90.17 84.33,89.66 J9.80 ; 84.33,90.17 83.69,90.17 ; v1(188.21,150.24) 187.97,150.49 187.97,152.53 186.69,153.81 U21.10 ; 79.88,73.53 79.88,74.8 79.5,75.18 79.5,73.91 ; v1(161.54,127) 161.14,126.6 159.18,126.6 157.46,128.32 157.48,128.3 v1(157.61,128.3) 156.96,128.96 156.96,140.19 v1(157.48,140.72) ; 150.75,49.53 150.75,46.99 150.73,46.97 ; v1(40.26,70.87) 40.26,63.25 v1(40.64,62.87) 38.35,62.87 v1(30.35,70.87) ; 30.35,107.4 30.23,107.53 30.23,108.37 30.86,109 30.86,118.36 ; J14.7 J14.19 ; v1(63.25,10.67) 63.25,7.87 J21.30 ; 246.38,153.67 246.38,152.53 ; 223.52,92.96 223.52,92.52 ; 213.11,95.76 213.23,95.63 211.07,95.63 210.57,96.14 211.71,96.14 C53.2 212.09,97.16 212.6,97.66 213.11,97.66 213.11,95.76